# KiCad board C816SX.kicad_pcb (continued)
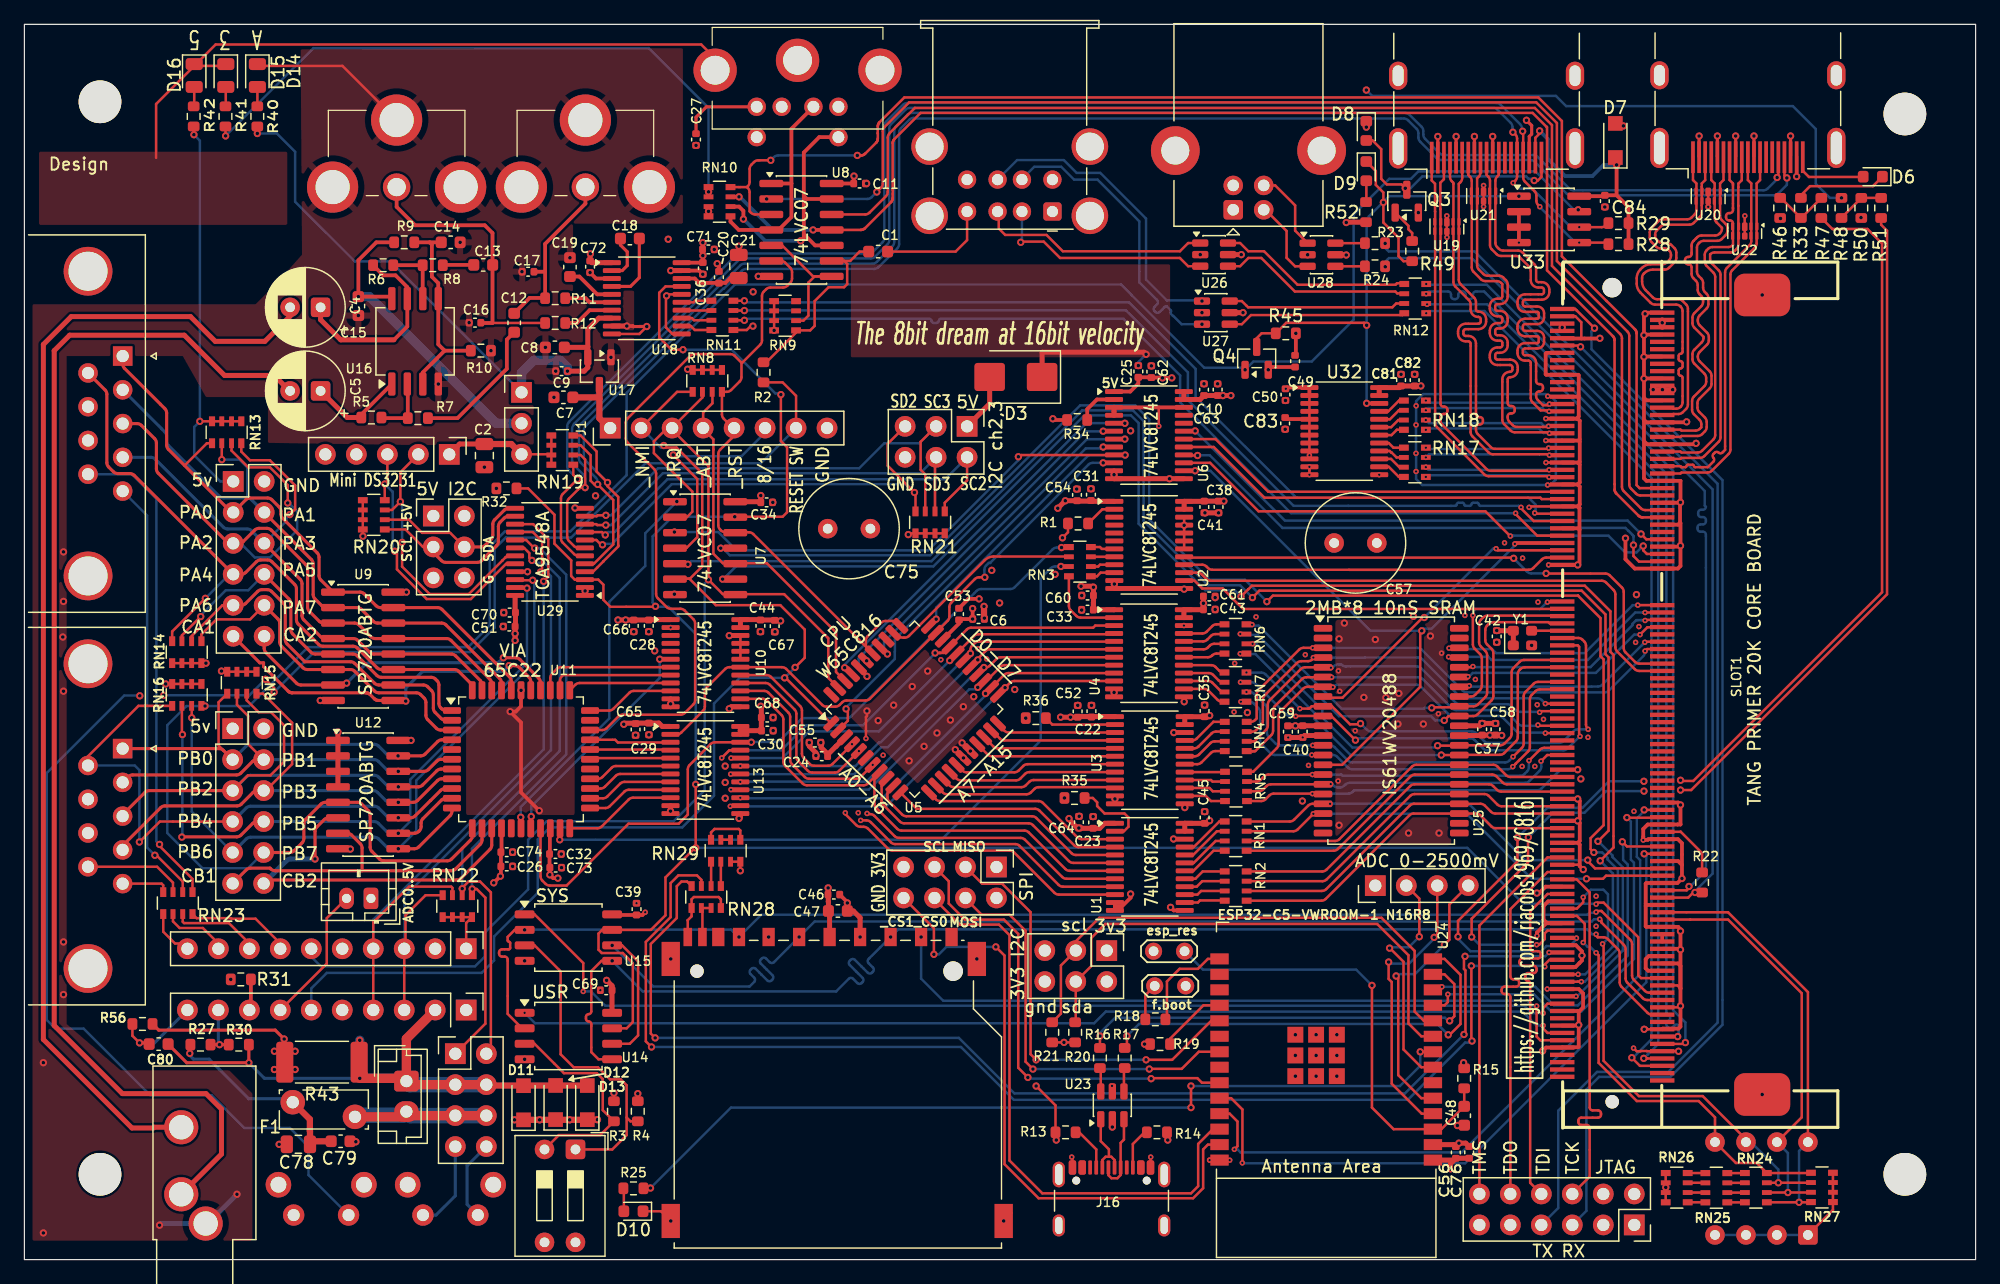
[diagram p0: board, top side]
## Routing (per net, layer and track width the routed paths; a pad name or vN(x,y) marks a point on that pad's centre or on a via; arc(x,y) is an arc through that point) (continued)
B_TMDS2_P: length 31.7
  Top w0.2: 136.82,90.53 136.82,88.58 137.11,88.3 137.11,86.11 arc(137.07,85.92) 136.96,85.75 136.71,85.5 arc(136.55,85.39) 136.35,85.36 134.35,85.36 arc(134.16,85.32) 134,85.21 133.43,84.64 arc(133.32,84.48) 133.28,84.28 133.28,83.85 arc(133.32,83.65) 133.43,83.49 133.8,83.12 arc(133.96,83.01) 134.16,82.97 134.5,82.97 arc(134.69,82.93) 134.85,82.82 134.87,82.8 arc(134.98,82.64) 135.02,82.45 135.02,82.37 arc(134.98,82.18) 134.87,82.02 134.67,81.82 arc(134.51,81.71) 134.32,81.67 133.35,81.67 arc(132.97,81.59) 132.65,81.38 132.5,81.23 arc(132.29,80.91) 132.21,80.53 132.21,80.06 arc(132.29,79.68) 132.5,79.36 133.35,78.51 arc(133.51,78.4) 133.71,78.36 135.44,78.36 arc(135.63,78.32) 135.8,78.21 135.82,78.19 arc(135.93,78.02) 135.97,77.83 135.97,74.48 arc(135.92,74.37) 135.81,74.32 arc(135.7,74.27) 135.65,74.16 135.65,73.88 arc(135.7,73.77) 135.81,73.72 arc(135.92,73.67) 135.97,73.56 135.97,73.28 arc(135.92,73.17) 135.81,73.12 arc(135.7,73.07) 135.65,72.96 135.65,72.68 arc(135.7,72.57) 135.81,72.52 arc(135.92,72.47) 135.97,72.36 135.97,70.34 arc(135.93,70.15) 135.82,69.98 135.81,69.97 arc(135.64,69.86) 135.45,69.82 135.21,69.82 135.12,69.9 SLOT1.28
B_TMDSC_N: length 31.5
  Top w0.2: 142.32,90.53 142.32,88.58 142.05,88.3 142.05,83.39 arc(142.01,83.2) 141.9,83.04 140.04,81.18 arc(139.94,81.02) 139.9,80.83 139.9,66.46 arc(139.86,66.27) 139.75,66.11 138.37,64.73 arc(138.21,64.62) 138.01,64.58 135.88,64.58 135.8,64.5 SLOT1.46
B_TMDSC_P: length 31.6
  Top w0.2: 141.32,90.53 141.32,88.58 141.61,88.3 141.61,83.57 arc(141.57,83.38) 141.46,83.22 139.6,81.36 arc(139.5,81.2) 139.46,81.01 139.46,66.44 139.23,66.21 arc(139.08,66.15) 138.92,66.21 arc(138.77,66.28) 138.61,66.21 138.5,66.1 arc(138.43,65.95) 138.5,65.79 arc(138.56,65.64) 138.5,65.48 138.04,65.02 137,65.02 arc(136.93,65.05) 136.9,65.12 arc(136.87,65.19) 136.8,65.22 136.4,65.22 arc(136.33,65.19) 136.3,65.12 arc(136.27,65.05) 136.2,65.02 135.88,65.02 135.8,65.1 SLOT1.44
CARD_DET: length 103
  Top w0.203: v1(118.71,17.94) 118.65,17.99 v1(118.65,24.1) ; RN28.7 55.51,31.17 55.15,31.53 53.62,31.53 52.99,30.89 52.99,28.1 50.96,26.07 50.96,17.91 v1(51.42,17.45) ; v2(124.67,24.03) 124.67,24.14 124.66,24.16 124.66,24.2 125.06,24.6 SLOT1.171
  Bottom w0.203: v1(51.42,17.45) 76.8,17.45 81.13,13.11 113.44,13.11 118.14,17.81 118.58,17.81 v1(118.71,17.94) ; v1(118.65,24.1) 124.61,24.1 v2(124.67,24.03)
CARD_WP: length 100
  Top w0.203: v2(125.02,25.2) SLOT1.169 ; RN28.8 54.34,31.02 53.88,31.02 53.5,30.64 53.5,28.03 51.36,25.9 51.36,18.55 v1(51.72,18.19) ; v1(118.04,18.48) 118.17,18.6 118.17,23.73 118.04,23.85 118.04,24.8 v1(118.13,24.89) 118,24.89
  Bottom w0.203: v1(118.04,18.48) 113.21,13.64 81.18,13.64 76.63,18.19 v1(51.72,18.19) ; v2(125.02,25.2) 124.72,24.89 118.14,24.89 v1(118.13,24.89)
CLK_IN: length 2
  Top w0.203: 126.1,51.6 SLOT1.81 ; Y1.3 125.59,51.6
CLKVIA: length 45.3
  Top w0.203: 134.42,48.37 134.36,48.3 SLOT1.92 132.41,48.3 arc(132.22,48.34) 132.06,48.45 130.61,49.9 arc(130.5,50.06) 130.46,50.25 130.46,54.59 arc(130.42,54.78) 130.31,54.94 129.7,55.55 arc(129.54,55.66) 129.35,55.7 97.27,55.7 arc(97.08,55.74) 96.92,55.85 96.55,56.22 arc(96.38,56.33) 96.19,56.37 U2.15
D0.: length 36.4
  Top w0.203: SLOT1.77 126.06,52.84 119.97,52.84 arc(119.78,52.8) 119.62,52.69 119.43,52.5 arc(119.32,52.34) 119.28,52.15 119.28,50.66 arc(119.32,50.47) 119.43,50.3 119.8,49.94 arc(119.91,49.77) 119.94,49.58 119.94,46.52 arc(119.91,46.33) 119.8,46.16 119.18,45.55 arc(119.02,45.44) 118.83,45.4 117.8,45.4 117.72,45.32 115.45,45.32 v1(115.4,45.27) ; 100.31,52.02 RN6.4 100.23,52.1 v2(100.67,52.1)
  Bottom w0.203: v1(115.4,45.27) 114.82,45.27 114.74,45.19 108.03,45.19 101.2,52.02 100.74,52.02 v2(100.67,52.1)
D1.: length 37.5
  Top w0.203: v2(99.7,51.34) 100.2,51.34 RN6.3 ; SLOT1.79 125.08,52.2 124.97,52.3 120.43,52.3 arc(120.24,52.27) 120.08,52.16 119.94,52.02 arc(119.83,51.85) 119.79,51.66 119.79,50.83 arc(119.83,50.64) 119.94,50.48 120.31,50.11 arc(120.41,49.95) 120.45,49.76 120.45,46.24 arc(120.41,46.05) 120.31,45.88 119.17,44.75 arc(119.01,44.64) 118.81,44.6 116.96,44.6 116.95,44.59 116.78,44.59 v1(116.43,44.24)
  Bottom w0.203: v1(116.43,44.24) 115.69,44.24 115.35,44.59 107.8,44.59 101.12,51.26 99.78,51.26 v2(99.7,51.34)
D2.: length 35.9
  Top w0.203: RN6.2 100.21,50.53 v2(100.72,50.53) ; SLOT1.89 122.97,49.2 arc(122.78,49.16) 122.61,49.05 122.1,48.54 arc(121.99,48.38) 121.95,48.19 121.95,43.14 arc(121.91,42.95) 121.8,42.79 121.37,42.35 arc(121.2,42.24) 121.01,42.2 117.8,42.2 117.77,42.17 v1(115.88,42.17)
  Bottom w0.203: v2(100.72,50.53) 100.75,50.49 101.06,50.49 106.43,45.12 106.43,44.48 108.9,42.02 115.73,42.02 v1(115.88,42.17)
D3.: length 36.8
  Top w0.203: v2(99.7,49.71) 100.2,49.71 RN6.1 ; v1(116.19,41.4) U25.31 117.68,41.42 120.99,41.42 arc(121.18,41.45) 121.34,41.56 122.31,42.53 arc(122.42,42.69) 122.46,42.88 122.46,48.03 arc(122.5,48.22) 122.61,48.39 122.67,48.45 arc(122.84,48.56) 123.03,48.6 SLOT1.91
  Bottom w0.203: v1(116.19,41.4) 108.75,41.4 105.8,44.35 105.8,44.83 100.95,49.69 99.73,49.69 v2(99.7,49.71)
D4.: length 40.3
  Top w0.2: v1(109.56,43.98) 109.5,43.92 108.7,43.92 107.22,45.4 106.35,45.4
  Top w0.203: v2(104.59,45.21) 105.27,45.21 105.27,45.21 105.37,45.21 105.56,45.4 U25.9 ; SLOT1.83 126.11,51.01 127.41,51.01 arc(127.6,50.97) 127.77,50.86 127.91,50.72 arc(128.01,50.56) 128.05,50.37 128.05,43.9 arc(128.09,43.7) 128.2,43.54 v2(128.23,43.51)
  Bottom w0.203: v2(128.23,43.51) 127.38,43.51 arc(127.19,43.47) 127.03,43.36 126.21,42.54 arc(126.05,42.44) 125.86,42.4 120.05,42.4 arc(119.86,42.44) 119.7,42.54 119.05,43.19 arc(118.89,43.3) 118.7,43.34 110.42,43.34 arc(110.23,43.38) 110.07,43.48 109.57,43.98 v1(109.56,43.98) ; v2(104.59,45.21) 101.78,48.02 arc(101.62,48.13) 101.42,48.16 100.22,48.16 v2(100.21,48.17)
D5.: length 40.2
  Top w0.2: 127.37,50.4 127.37,50.4 SLOT1.85
  Top w0.203: U25.10 106.48,44.61 104.28,44.61 v2(104.25,44.58) ; v1(109.15,42.62) 107.17,44.6 106.35,44.6 ; 126.07,50.37 SLOT1.85 ; v2(99.72,47.38) 100.21,47.38 RN7.3 ; 127.37,50.4 127.49,50.28 127.49,43.01 v2(127.56,42.93)
  Bottom w0.203: v2(127.56,42.93) 127.54,42.96 127.54,42.93 126.54,41.94 arc(126.38,41.83) 126.19,41.79 119.97,41.79 arc(119.78,41.83) 119.62,41.94 118.93,42.63 arc(118.77,42.74) 118.57,42.77 109.5,42.77 arc(109.31,42.74) 109.15,42.63 v1(109.15,42.62) ; v2(99.72,47.38) 100.61,47.38 arc(100.8,47.34) 100.96,47.23 103.44,44.75 arc(103.6,44.65) 103.79,44.61 104.22,44.61 v2(104.25,44.58)
D6.: length 35.6
  Top w0.203: v2(105.64,42.19) 106.48,42.19 U25.13 ; 126.05,47.35 SLOT1.95 124.11,47.4 arc(123.92,47.36) 123.76,47.25 123.09,46.58 arc(122.98,46.42) 122.94,46.23 122.94,42.34 arc(122.9,42.15) 122.8,41.98 122.07,41.26 v2(122.07,41.26)
  Bottom w0.203: v2(122.07,41.26) 122,41.18 122,41.17 121.76,40.94 arc(121.6,40.83) 121.41,40.8 108.89,40.8 arc(108.7,40.83) 108.54,40.94 107.43,42.05 arc(107.27,42.16) 107.08,42.19 v2(105.64,42.19) 102.96,42.19 arc(102.76,42.23) 102.6,42.34 102.03,42.91 arc(101.92,43.07) 101.88,43.27 101.88,45.16 arc(101.85,45.35) 101.74,45.52 100.81,46.44 arc(100.65,46.55) 100.46,46.59 100.22,46.59 v2(100.21,46.58)
D7.: length 36.7
  Top w0.203: v2(99.75,45.78) 100.21,45.78 100.21,45.78 ; SLOT1.97 126.08,46.79 124.26,46.79 arc(124.07,46.75) 123.91,46.64 123.6,46.33 arc(123.49,46.17) 123.45,45.98 123.45,42.05 arc(123.41,41.86) 123.3,41.7 122.6,41 122.6,41 122.28,40.69 122.28,40.68 v2(122.05,40.45) ; v2(105.57,41.41) 106.48,41.41 U25.14
  Bottom w0.203: v2(99.75,45.78) 100.46,45.78 arc(100.65,45.74) 100.81,45.63 101.18,45.26 arc(101.29,45.1) 101.33,44.91 101.33,42.61 arc(101.36,42.41) 101.47,42.25 102.17,41.55 arc(102.33,41.45) 102.52,41.41 v2(105.57,41.41) 107.29,41.41 arc(107.48,41.37) 107.64,41.26 108.52,40.39 arc(108.68,40.28) 108.87,40.24 121.63,40.24 arc(121.83,40.28) 121.99,40.39 v2(122.05,40.45)
DATADIR: length 32
  Top w0.203: SLOT1.75 126.08,53.38 99.94,53.38 99.53,53.8 99.51,53.8 99.15,54.15 99.15,54.17 98.25,55.07 96.58,55.07 95.93,55.72 U2.14
E.: length 43.1
  Top w0.203: 121.85,59.37 121.83,59.37 119.8,61.4 101.2,61.4 97.22,65.38 U6.15 ; SLOT1.68 133.04,57.9 132.74,58.2 v1(132.74,58.55)
  Bottom w0.203: 121.85,59.37 v2(121.85,59.37) 122.08,59.37 122.12,59.4 124.4,59.4 124.4,59.4 129.89,59.4 131.27,58.03 132.19,58.03 132.55,58.38 132.55,58.47 132.63,58.55 v1(132.74,58.55)
EPS_CTS: length 31.6
  Top w0.2: SLOT1.140 131.41,33.9 v1(131.03,34.28)
  Top w0.203: v2(116.24,22.38) 115.99,22.14 115.5,22.14
  Bottom w0.2: 127.46,20.94 131.48,24.95 131.48,32.42 131.09,32.8 131.09,34.08 130.89,34.28 v1(131.03,34.28)
  Bottom w0.203: v2(116.24,22.38) 123.9,22.38 125.42,20.86 127.39,20.86 127.46,20.94
ESP_RTS: length 34.4
  Top w0.2: SLOT1.132 134.26,36.26 131.42,36.26 v1(131.41,36.27)
  Top w0.203: U24.11 116.45,20.86 116.72,21.13 v2(116.72,21.77)
  Bottom w0.2: v1(131.41,36.27) 131.73,35.95 131.73,32.82 131.98,32.56 131.98,24.67 127.67,20.35
  Bottom w0.203: v2(116.72,21.77) 123.79,21.77 125.21,20.35 127.67,20.35
ESP_RX: length 58.1
  Top w0.2: v1(132.82,33.3) 133.01,33.3 133.01,33.3 SLOT1.142
  Top w0.203: v2(99.87,7.94) 99.88,7.95 99.88,12.32 98.95,13.25 U24.24
  Bottom w0.2: v1(132.82,33.3) 133,33.12 133,22.76 118.14,7.91 106.28,7.91
  Bottom w0.203: v2(99.87,7.94) 99.87,7.89 99.89,7.91 106.28,7.91
ESP_SCL: length 43.9
  Top w0.203: R21.2 84.99,20.19 84.99,24.14 J17.3 86.21,26.12 88.14,28.05 111.28,28.05 114,25.33 114,20.35 114.76,19.59 U24.10
ESP_SDA: length 43.1
  Top w0.203: U24.9 114.55,18.33 113.49,19.38 113.49,24.97 110.93,27.54 88.63,27.54 87.48,26.39 87.48,24.08 J17.4 86.21,19.68 86.01,19.47
ESP_TX: length 58.9
  Top w0.2: v1(132.82,36.9) 132.84,36.88 132.87,36.88 132.89,36.9 SLOT1.130
  Top w0.203: U24.25 98.83,11.97 99.47,11.33 99.47,9.3 v2(99.22,9.05)
  Bottom w0.2: v1(132.82,36.9) 132.75,36.82 132.75,36.73 132.22,36.21 132.22,33.05 132.49,32.77 132.49,24.42
  Bottom w0.203: 132.49,24.42 132.49,23.43 117.85,8.79 99.73,8.79 99.47,9.05 v2(99.22,9.05)
HDMI1_SCL: length 137.9
  Top w0.2: v1(143.72,88.79) 143.82,88.89 143.82,88.94 arc(143.82,88.95) 143.82,88.96 143.82,90.53 ; RN19.7 45.61,66.82 46.43,66 46.43,63.91 46.73,63.61 v1(47.01,63.61) 47.01,63.6
  Top w0.203: v1(47.01,63.61) 48.29,62.33 48.29,58.68 46.7,57.09 U29.5
  Bottom w0.2: 113.09,94.09 72.77,94.09 arc(72.57,94.05) 72.41,93.94 71.47,93 arc(71.36,92.84) 71.33,92.65 71.33,83.5 arc(71.29,83.3) 71.18,83.14 69.9,81.86 arc(69.74,81.76) 69.55,81.72 59.05,81.72 arc(58.86,81.68) 58.7,81.57 57.19,80.07 57.13,80.07 45.62,68.55 arc(45.51,68.39) 45.47,68.2 45.47,65.74 arc(45.51,65.55) 45.62,65.39 46.86,64.15 arc(46.97,63.99) 47.01,63.8 v1(47.01,63.61) ; v1(143.72,88.79) 143.72,88.65 142.95,87.88 arc(142.79,87.78) 142.6,87.74 127.77,87.74
  Bottom w0.203: 113.09,94.09 113.23,94.09 arc(113.42,94.05) 113.58,93.94 114.57,92.95 arc(114.67,92.79) 114.71,92.6 114.71,92.31 arc(114.75,92.12) 114.86,91.96 116.04,90.78 arc(116.2,90.67) 116.39,90.63 123.73,90.63 arc(123.92,90.59) 124.08,90.49 126.68,87.88 arc(126.84,87.78) 127.03,87.74 127.77,87.74
HDMI1_SDA: length 140.2
  Top w0.2: 46.97,56.78 46.63,56.44 U29.4 ; RN19.8 45.61,67.62 46.92,66.31 46.92,64.66 v1(47.81,63.77) 47.85,63.77 ; v1(144.52,88.75) 144.32,88.95 144.32,90.53
  Top w0.203: 46.97,56.78 47.49,57.3 47.49,57.31 48.69,58.51 48.69,58.58 48.7,58.59 48.69,58.6 48.69,62.58 47.81,63.46 v1(47.81,63.77)
  Bottom w0.2: 112.87,93.63 72.99,93.63 72.93,93.68 arc(72.74,93.65) 72.58,93.54 71.87,92.83 arc(71.77,92.67) 71.73,92.48 71.73,83.33 arc(71.69,83.14) 71.58,82.98 70.04,81.43 arc(69.88,81.32) 69.69,81.29 59.19,81.29 arc(59,81.25) 58.83,81.14 57.36,79.66 57.3,79.66 46.02,68.39 arc(45.91,68.23) 45.87,68.03 45.87,65.91 arc(45.91,65.72) 46.02,65.56 v1(47.81,63.77)
  Bottom w0.203: v1(144.52,88.75) 144.52,88.19 143.82,87.48 arc(143.66,87.37) 143.46,87.33 143.46,87.33 126.81,87.33 arc(126.61,87.37) 126.45,87.48 123.85,90.08 arc(123.69,90.19) 123.5,90.23 116.16,90.23 arc(115.97,90.26) 115.81,90.37 114.45,91.73 arc(114.34,91.89) 114.31,92.08 114.31,92.43 arc(114.27,92.62) 114.16,92.79 113.46,93.48 arc(113.3,93.59) 113.11,93.63 112.87,93.63
HDMI2_SCL: length 124
  Top w0.2: U29.7 45.43,58.39 arc(45.24,58.43) 45.08,58.54 44.65,58.97 arc(44.54,59.13) 44.51,59.32 44.51,62.08 arc(44.54,62.28) 44.65,62.44 45.41,63.19 arc(45.57,63.3) 45.76,63.34 v1(45.98,63.34) ; 122.4,90.5 122.4,91.98 arc(122.36,92.17) 122.25,92.34 122.09,92.51 v1(122.06,92.51) ; 46.03,63.34 v1(45.98,63.34) ; v1(45.98,63.34) 45.98,65.65 45.61,66.02 RN19.6
  Top w0.203: v2(127.5,84.71) 129.35,84.71 arc(129.54,84.75) 129.71,84.86 R29.2 ; 122.4,90.5 122.4,88.88 arc(122.36,88.68) 122.25,88.52 v2(122.08,88.35)
  Bottom w0.2: v1(45.98,63.34) 45.98,64.06 arc(45.94,64.25) 45.83,64.41 45.06,65.19 arc(44.95,65.35) 44.91,65.54 44.91,68.15 arc(44.95,68.34) 45.06,68.5 45.07,68.51 45.07,68.57 56.96,80.47 57.03,80.47 58.56,82 arc(58.72,82.11) 58.91,82.15 69.41,82.15 arc(69.6,82.19) 69.76,82.3 70.78,83.31 arc(70.88,83.47) 70.92,83.66 70.92,92.81 arc(70.96,93) 71.07,93.17 72.25,94.35 arc(72.41,94.46) 72.61,94.5 120.45,94.5 arc(120.64,94.46) 120.8,94.35 121.88,93.27 arc(121.99,93.11) 122.03,92.91 122.03,92.53 v1(122.06,92.51)
  Bottom w0.203: v2(127.5,84.71) 127.01,84.71 arc(126.82,84.75) 126.66,84.86 123.8,87.71 arc(123.64,87.82) 123.45,87.86 122.77,87.86 arc(122.58,87.9) 122.42,88.01 v2(122.08,88.35)
HDMI2_SDA: length 123.8
  Top w0.2: v1(122.86,92.59) 122.9,92.54 122.9,90.5 ; RN19.5 45.01,64.38 v1(45.36,64.03) 44.14,62.82 arc(44.04,62.66) 44,62.46 44,59.18 arc(44.04,58.99) 44.14,58.82 45.08,57.89 arc(45.24,57.78) 45.43,57.75 U29.6
  Top w0.203: R28.2 129.76,83.44 v2(127.5,83.44) ; v2(124.26,86.39) 124.13,86.52 arc(124.02,86.69) 123.98,86.88 123.98,87.3 arc(123.94,87.49) 123.84,87.66 123.05,88.45 arc(122.94,88.61) 122.9,88.8 122.9,90.5
  Bottom w0.2: v1(122.86,92.59) 122.8,92.64 122.8,92.8 arc(122.77,92.99) 122.66,93.15 121.06,94.75 arc(120.89,94.86) 120.7,94.9 72.4,94.9 arc(72.21,94.86) 72.05,94.75 70.66,93.37 arc(70.55,93.21) 70.52,93.02 70.52,83.83 arc(70.48,83.63) 70.37,83.47 69.6,82.7 arc(69.43,82.59) 69.24,82.55 58.54,82.55 58.49,82.5 58.45,82.5 56.82,80.87 56.8,80.87 44.67,68.74 44.67,68.72 44.65,68.71 arc(44.54,68.54) 44.51,68.35 44.51,65.1 arc(44.54,64.9) 44.65,64.74 v1(45.36,64.03)
  Bottom w0.203: v2(124.26,86.39) 124.26,86.37 127.04,83.59 arc(127.2,83.48) 127.39,83.44 v2(127.5,83.44)
hdmi_rx: length 198
  Top w0.203: U33.7 127.5,86.05 v1(127.41,86.14)
  Top w0.254: U11.12 36.72,34.77 arc(36.69,34.58) 36.58,34.42 35.03,32.87 arc(34.86,32.76) 34.67,32.72 29.47,32.72 arc(29.28,32.76) 29.12,32.87 28.5,33.49 arc(28.39,33.65) 28.35,33.84 28.35,36.48 arc(28.31,36.67) 28.21,36.83 27.66,37.37 arc(27.5,37.48) 27.31,37.52 U12.5 24.67,37.52 arc(24.48,37.48) 24.32,37.37 23.06,36.12 arc(22.95,35.96) 22.92,35.76 22.92,34.55 arc(22.88,34.36) 22.77,34.2 22.12,33.55 arc(21.96,33.44) 21.77,33.4 J7.10
  Bottom w0.2: 20.15,47.15 18.42,45.42 v1(14.81,45.42) 13.29,45.42 11.72,43.85 11.72,35.01 14.61,32.12 18.33,32.12 J7.10
  Bottom w0.203: v1(127.41,86.14) 127.06,86.14 123.92,89.28 114.3,89.28 113.7,88.68 111.92,88.68 109,85.76 109,77.12 105.57,73.69 100.78,73.69 v1(100.1,73.01) 99.92,73.18 96.74,73.18 90.8,79.13 90.8,79.14 89.93,80.01 58.28,80.01 49.38,71.12 49.38,64.37 44.76,59.75 39.4,59.75 38.16,58.5 38.16,52.02 36.39,50.26 23.26,50.26 20.15,47.15
HPD: length 19.9
  Top w0.203: v1(123.81,88.54) 124.1,88.54 124.4,88.84 124.4,90.5 ; Q3.3 v1(113.23,87.91) 112.92,88.22 111.71,88.22 111.26,88.68 111.26,91.12 110.55,91.83 D8.2
  Bottom w0.203: v1(123.81,88.54) 123.67,88.68 123.35,88.68 123.15,88.88 114.63,88.88 113.66,87.91 v1(113.23,87.91)
HPD1_1V5: length 93.7
  Top w0.203: R47.1 148.25,84.56 151.14,84.56 152.33,83.37 152.33,54.76 136.85,39.27 135.86,39.27 v1(135.8,39.33) ; v1(122.43,34.63) 122.43,32.67 117.56,27.79 v1(117.56,26.5)
  In3.Cu w0.203: v1(132.8,39.25) 132.82,39.27 135.75,39.27 v1(135.8,39.33)
  Bottom w0.203: v2(127.27,26.38) 127.27,26.28 126.72,25.73 124.81,25.73 124.37,25.3 118.58,25.3 117.56,26.32 v1(117.56,26.5) ; v1(122.43,34.63) 124.87,37.06 127.75,37.06 129.94,39.25 v1(132.8,39.25)
HPD2_1V5: length 87.3
  Top w0.203: v1(118.67,26.47) 118.67,27.97 123.3,32.59 123.3,34.63 v1(123.32,34.65) ; v2(124,25.84) 124.21,25.84 124.67,26.3 124.67,26.78 124.9,27 SLOT1.163 ; v1(135.8,38.53) 136.67,38.53 152.74,54.59 152.74,84.42 152.25,84.91 R51.1
  In3.Cu w0.203: v1(135.8,38.53) 135.72,38.45 132.81,38.45 v1(132.8,38.44)
  Bottom w0.203: v2(124,25.84) 119.31,25.84 v1(118.67,26.47) ; v1(132.8,38.44) 129.71,38.44 127.92,36.66 125.33,36.66 v1(123.32,34.65)
I2S_BCK: length 77.1
  Top w0.203: SLOT1.63 124.05,59.4 122.28,61.17 v2(122.28,61.24) ; v1(59.04,77.07) 58.14,77.07 RN11.2
  Bottom w0.203: v2(122.28,61.24) 103.87,61.24 94.77,70.34 94.77,72.55 90.12,77.2 75.15,77.2 arc(75.03,77.15) 74.98,77.03 arc(74.93,76.91) 74.81,76.86 74.55,76.86 arc(74.43,76.91) 74.38,77.03 arc(74.33,77.15) 74.21,77.2 59.17,77.2 v1(59.04,77.07)
I2S_DIN: length 77.1
  Top w0.203: v2(122.72,61.72) 122.72,61.64 123.76,60.6 SLOT1.59 ; RN11.3 58.14,77.87 v1(59.04,77.87)
  Bottom w0.203: v1(59.04,77.87) 59.05,77.88 90.33,77.88 95.41,72.8 95.41,70.52 104.08,61.85 117.33,61.85 arc(117.42,61.88) 117.46,61.97 arc(117.49,62.06) 117.58,62.1 117.93,62.1 arc(118.02,62.06) 118.06,61.97 arc(118.09,61.88) 118.18,61.85 118.53,61.85 arc(118.62,61.88) 118.66,61.97 arc(118.69,62.06) 118.78,62.1 119.13,62.1 arc(119.22,62.06) 119.26,61.97 arc(119.29,61.88) 119.38,61.85 122.53,61.85 122.66,61.72 v2(122.72,61.72)
I2S_LRCK: length 77.1
  Top w0.203: SLOT1.57 123.91,61.2 v2(123.85,61.26) ; v1(59.04,78.67) RN11.4
  Bottom w0.203: v2(123.85,61.26) 123.76,61.35 123.92,61.51 123.92,61.94 123.35,62.52 104.3,62.52 96.04,70.77 96.04,73.08 90.58,78.54 59.17,78.54 v1(59.04,78.67)
IRQ5V: length 105.4
  Top w0.2: 53.12,68.23 52.71,68.23 51.62,67.14 51.62,66.17 54.77,63.02 54.77,61.36 54.32,60.91 U7.2
  Top w0.203: 53.3,60.95 53.3,60.9 ; 66.57,46.91 U5.43 66.73,46.92 65.92,47.73 65.92,50.98 62.3,54.6 57.28,54.6 v1(56.09,55.79) 56.09,59.72 56.09,65.11 53.06,68.14 53.06,68.2 55.6,70.74 RN8.6
  Bottom w0.2: v1(56.09,55.79) 55.78,55.48 55.78,38.51 53.24,35.97 42.83,35.97 41.31,34.45 41.31,30.38 37.75,26.83 37.75,24.86 36.95,24.06 24.31,24.06 23.53,24.85 23.53,25.94
MISO: length 110.1
  Top w0.203: U14.2 40.81,18.98 39.63,20.16 39.63,24.62 arc(39.56,24.79) 39.39,24.86 39.16,24.86 arc(38.99,24.93) 38.92,25.1 38.92,25.22 arc(38.99,25.39) 39.16,25.46 39.73,25.46 arc(39.8,25.49) 39.83,25.56 39.83,25.98 arc(39.8,26.05) 39.73,26.08 arc(39.66,26.11) 39.63,26.19 39.63,26.48 40.21,27.06 U15.2 ; v2(128.88,28.51) 128.98,28.61 129.32,28.61 131.68,26.24 arc(131.79,26.08) 131.83,25.89 131.83,23.31 arc(131.87,23.12) 131.97,22.96 132.88,22.05 arc(133.05,21.94) 133.24,21.9 SLOT1.180
  Bottom w0.203: v2(128.88,28.51) 128.82,28.45 128.33,28.45 128.18,28.3 60.43,28.3 v1(58.6,26.47) 58.56,26.47 57.94,27.08 41.05,27.08 v1(41.02,27.05)
MOSI: length 110.1
  Top w0.203: U15.5 47.33,24.52 46.49,23.68 46.49,20.36 arc(46.42,20.21) 46.27,20.14 arc(46.11,20.08) 46.05,19.92 46.05,19.76 arc(46.11,19.61) 46.27,19.54 arc(46.42,19.48) 46.49,19.32 46.49,17.02 47.07,16.44 U14.5 ; SLOT1.186 133.46,20.1 arc(133.27,20.14) 133.1,20.25 130.96,22.39 arc(130.85,22.55) 130.82,22.74 130.82,25.12 arc(130.78,25.31) 130.67,25.48 129.84,26.3 arc(129.68,26.41) 129.49,26.45 129.01,26.45 128.88,26.57 v2(128.88,26.7)
  Bottom w0.203: v1(48.2,24.51) 48.2,24.51 50.7,22 66.56,22 67.61,23.05 arc(67.78,23.12) 67.95,23.05 68.31,22.69 arc(68.48,22.62) 68.65,22.69 68.73,22.77 arc(68.8,22.94) 68.73,23.11 67.67,24.17 arc(67.6,24.34) 67.67,24.51 67.76,24.6 arc(67.93,24.67) 68.1,24.6 69.16,23.54 arc(69.33,23.47) 69.5,23.54 69.58,23.62 arc(69.65,23.79) 69.58,23.96 69.22,24.32 arc(69.15,24.49) 69.22,24.66 v1(71.03,26.47) 71.66,27.1 128.16,27.1 128.56,26.7 v2(128.88,26.7)
NMI5V: length 104.3
  Top w0.203: v1(52.43,66.8) 52.6,66.63 53.47,66.63 55.58,64.52 55.58,56.88 54.57,55.87 53.3,55.87 54.53,55.87 56.7,53.7 61.98,53.7 63.99,51.69 63.99,49.38 v1(63.2,48.59) ; RN8.5 53.52,71.2 50.52,68.2 ; v1(62.34,47.74) 62.42,47.74 U5.1
  Bottom w0.2: v1(52.43,66.8) 52.26,66.63 52.18,66.63 J1.2
  Bottom w0.203: J26.6 23.53,22.26 24.8,23.53 37.5,23.53 38.51,24.54 38.51,26.51 42.1,30.1 42.1,34.48 43.08,35.46 53.94,35.46 56.55,38.07 56.55,45.62 58.66,47.74 v1(62.34,47.74) v1(63.2,48.59)
PB5_I2C_5V_SDA: length 60.4
  Top w0.203: v1(12.96,43.08) 12.92,43.13 RN16.6 ; v1(41.21,55.1) 40.29,55.1 U29.23
  Top w0.254: 34.82,37.85 34.56,37.85 arc(34.37,37.81) 34.2,37.71 32.68,36.18 arc(32.57,36.02) 32.53,35.82 32.53,35.53 arc(32.49,35.34) 32.38,35.18 32.33,35.13 arc(32.17,35.02) 31.98,34.98 v1(30.66,34.98) ; J7.8 19.08,35.94 arc(18.89,35.91) 18.73,35.8 17.77,34.83 arc(17.6,34.73) 17.41,34.69 13.05,34.69
  Top w0.406: U11.10 35.06,37.85
  Bottom w0.203: v1(30.66,34.98) 31.64,35.96 31.64,39.39 41.21,48.96 v1(41.21,55.1) ; v1(12.96,43.08) 12.96,34.72 v1(12.91,34.67)
  Bottom w0.254: J7.8 28.68,35.94 arc(28.87,35.91) 29.03,35.8 29.7,35.13 arc(29.87,35.02) 30.06,34.98 v1(30.66,34.98)
PB6_I2C_5V_SCL: length 62
  Top w0.203: RN16.7 13.72,45.43 v1(13.72,44.46) ; v1(41.69,55.74) 40.29,55.74 40.24,55.8
  Top w0.254: U11.11 35.06,36.79 arc(35.02,36.6) 34.91,36.44 32.33,33.86 arc(32.17,33.75) 31.98,33.71 v1(30.66,33.71)
  Bottom w0.203: v1(41.69,55.74) 41.81,55.62 41.81,48.99 32.13,39.31 32.13,35.18 v1(30.66,33.71) ; J7.9 13.72,36.76 v1(13.72,44.46)
  Bottom w0.254: v1(30.66,33.71) 30.06,33.71 arc(29.87,33.75) 29.7,33.86 29.05,34.51 arc(28.89,34.62) 28.69,34.66 18.54,34.66 arc(18.35,34.62) 18.19,34.51 J7.9
PHI2.: length 31.5
  Top w0.2: 108.62,56.6 97.41,56.6 arc(97.22,56.64) 97.05,56.75 96.93,56.87 arc(96.77,56.98) 96.58,57.02 U2.16
  Top w0.203: 108.62,56.6 123.37,56.6 arc(123.56,56.64) 123.73,56.75 124.43,57.46 arc(124.6,57.56) 124.79,57.6 SLOT1.69 126.1,57.6
POT1X: length 39.9
  Top w0.2: RN23.1 13.78,31.23 11.08,33.94 v1(11.08,34.07)
  Bottom w0.2: v1(11.08,34.07) 10.83,34.32 10.83,62.41 8.8,64.44 J9.9
POT1Y: length 35
  Top w0.2: RN23.2 12.99,31.02 10.83,33.18 v1(10.7,33.18)
  Bottom w0.2: J9.5 10.06,61.05 10.06,33.81 v1(10.7,33.18)
POT2X: length 8.3
  Top w0.2: RN23.3 12.19,30.93 10.88,32.23 J8.9
POT2Y: length 3.9
  Top w0.2: 11.38,30.15 11.38,30.71 11.25,30.85 J8.5
PS2CLKIN: length 112.3
  Top w0.203: 65.81,84.49 68.58,84.49 68.61,84.49 68.66,84.49 68.72,84.51 68.77,84.52 68.82,84.55 68.87,84.58 68.91,84.61 68.93,84.63 71.05,86.75 71.07,86.77 71.11,86.82 71.14,86.87 71.16,86.92 71.18,86.97 71.19,87.02 71.2,87.08 71.2,87.11 71.2,87.44 71.21,87.76 71.2,87.78 71.2,91.59 71.2,91.62 71.21,91.68 71.22,91.73 71.24,91.78 71.26,91.83 71.29,91.88 71.33,91.93 71.35,91.95 73.49,94.09 123.67,94.09 124.82,92.94 124.84,92.94 124.85,92.92 124.85,81.17 130.25,75.78 130.27,75.76 130.3,75.72 130.33,75.67 130.36,75.62 130.37,75.56 130.39,75.51 130.39,75.45 130.39,75.43 130.39,63.63 130.4,63.62 130.4,63.21 130.4,63.18 130.41,63.12 130.42,63.07 130.44,63.02 130.46,62.97 130.49,62.92 130.53,62.87 130.55,62.85 132.35,61.05 132.37,61.03 132.42,60.99 132.46,60.96 132.51,60.94 132.57,60.92 132.62,60.91 132.68,60.9 132.71,60.9 SLOT1.58
  Top w0.305: v1(64.67,84.49) 65.81,84.49 ; RN10.7 v1(58.6,87.2)
  Bottom w0.305: v1(64.67,84.49) 61.58,84.49 arc(61.39,84.52) 61.23,84.63 58.66,87.2 v1(58.6,87.2)
PS2CLKOUT: length 102.6
  Top w0.203: 65.81,85.76 68.94,85.76 arc(69.13,85.79) 69.3,85.9 70.65,87.25 arc(70.76,87.42) 70.79,87.61 70.79,92.06 arc(70.83,92.25) 70.94,92.41 73.02,94.49 123.86,94.49 125.26,93.09 125.26,81.54 130.85,75.95 arc(130.96,75.78) 131,75.59 131,63.41 arc(131.04,63.22) 131.15,63.05 132.55,61.65 arc(132.72,61.54) 132.91,61.5 SLOT1.56
PS2DATIN: length 111.7
  Top w0.2: v1(61.2,90.2) 60.3,90.2 ; RN10.8 58.7,88
  Top w0.203: 60.3,90.2 60.18,90.2 arc(59.99,90.16) 59.83,90.05 59.61,89.84 arc(59.51,89.68) 59.47,89.49 59.47,88.42 arc(59.43,88.23) 59.32,88.07 59.25,88 ; 59.25,88 58.7,88 ; 59.25,88 59.32,87.93 arc(59.43,87.77) 59.47,87.58 59.47,86.01 59.57,85.9 arc(59.74,85.79) 59.93,85.76 60.86,85.76 ; v1(68.3,90.6) 68.59,90.6 68.62,90.6 68.68,90.61 68.73,90.62 68.78,90.64 68.83,90.66 68.88,90.69 68.93,90.73 68.95,90.75 69.83,91.63 69.85,91.66 69.89,91.7 69.92,91.75 69.94,91.8 69.96,91.85 69.97,91.9 69.98,91.96 69.98,91.99 69.98,92.41 69.97,92.42 69.98,92.75 69.98,92.97 69.98,93 69.99,93.06 70,93.11 70.02,93.17 70.04,93.22 70.07,93.26 70.11,93.31 70.13,93.33 72.16,95.36 124.14,95.36 126.07,93.43 126.07,82.32 129.74,78.65 129.75,78.65 132.05,76.35 132.07,76.33 132.11,76.28 132.14,76.23 132.16,76.18 132.18,76.13 132.19,76.08 132.2,76.02 132.2,75.99 132.2,63.55 132.44,63.3 SLOT1.50
  Bottom w0.203: v1(68.3,90.6) 61.81,90.6 arc(61.62,90.56) 61.45,90.45 v1(61.2,90.2)
